# Altium PCB 机器人.PcbDoc (part 12 of 14) (continued)
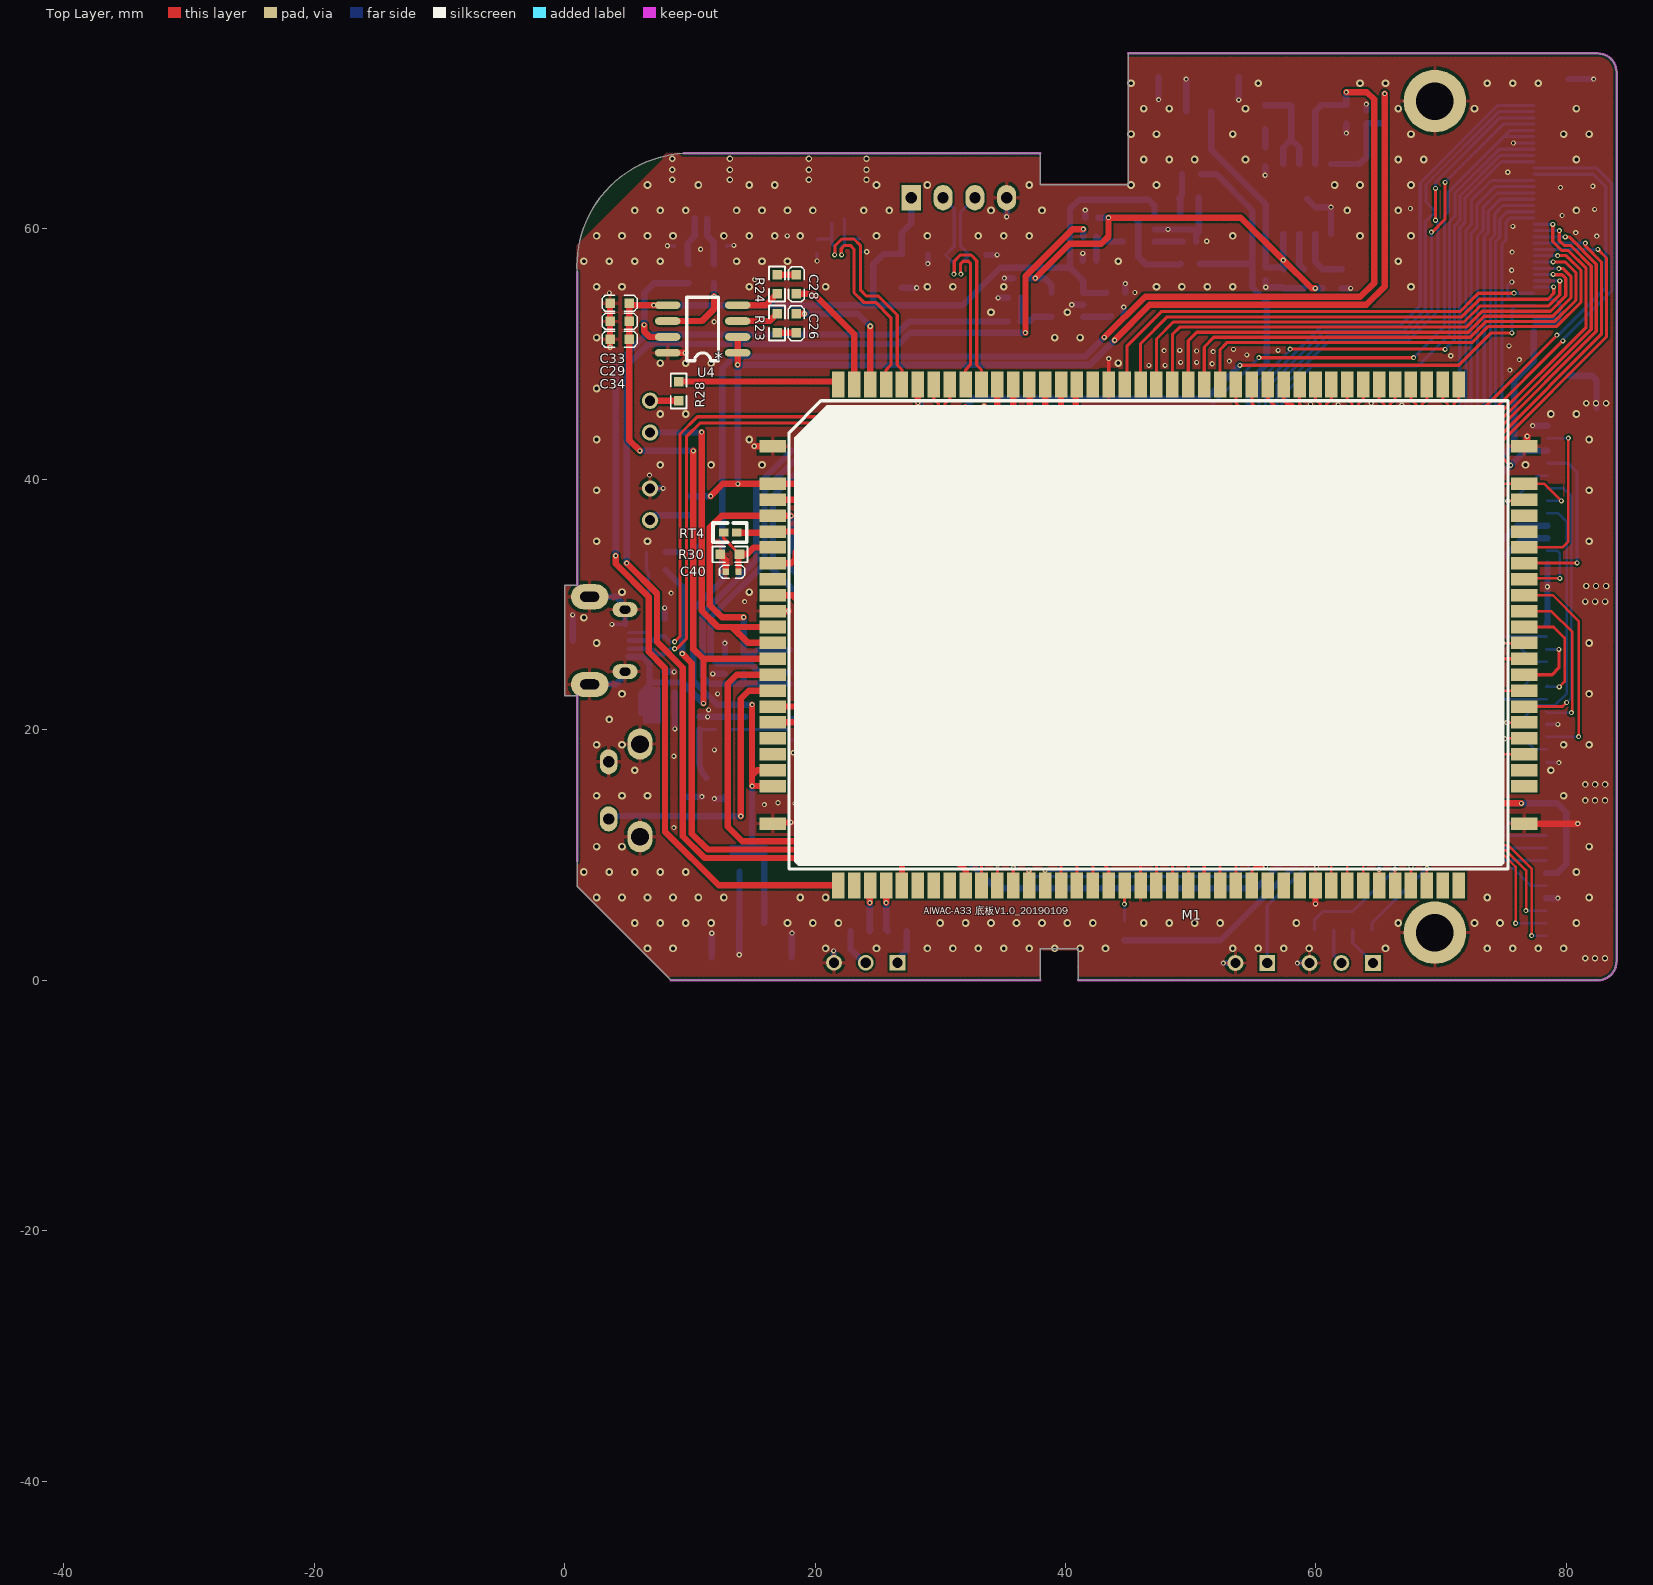
[diagram p0: Top Layer view]
## Free pads (board coordinates) (continued)
  round 0.002 on Mech15: 1(-39.048,-44.132) 1(-39.048,-44.132) 1(-39.048,-44.132) 1(-39.048,-44.131) 1(-39.048,-44.131) 1(-39.048,-44.131) 1(-39.048,-44.127) 1(-39.048,-44.127) 1(-39.048,-44.127) 1(-39.048,-44.126) 1(-39.048,-44.126) 1(-39.048,-44.126) 1(-39.045,-44.133) 1(-39.045,-44.133) 1(-39.045,-44.133) 1(-39.045,-44.132) 1(-39.045,-44.132) 1(-39.045,-44.132) 1(-39.045,-44.126) 1(-39.045,-44.126) 1(-39.045,-44.126) 1(-39.045,-44.125) 1(-39.045,-44.125) 1(-39.045,-44.125) 1(-39.044,-44.122) 1(-39.044,-44.122) 1(-39.044,-44.122) 1(-39.044,-44.119) 1(-39.044,-44.119) 1(-39.044,-44.119) 1(-39.044,-44.116) 1(-39.044,-44.116) 1(-39.044,-44.116) 1(-39.044,-44.114) 1(-39.044,-44.114) 1(-39.044,-44.114)
  round 0.005 on Mech3: 1(-39.047,-44.148) 1(-39.047,-44.148) 1(-39.047,-44.148) 1(-39.047,-44.096) 1(-39.047,-44.096) 1(-39.047,-44.096) 1(-38.976,-44.148) 1(-38.976,-44.148) 1(-38.976,-44.148) 1(-38.976,-44.096) 1(-38.976,-44.096) 1(-38.976,-44.096)
  round 0.005 on Mech2: 1(-39.047,-44.148) 1(-39.047,-44.148) 1(-39.047,-44.148) 1(-39.047,-44.096) 1(-39.047,-44.096) 1(-39.047,-44.096) 1(-38.976,-44.148) 1(-38.976,-44.148) 1(-38.976,-44.148) 1(-38.976,-44.096) 1(-38.976,-44.096) 1(-38.976,-44.096)
  round 0.005 on Mech10: 1(-39.047,-44.148) 1(-39.047,-44.148) 1(-39.047,-44.148) 1(-39.047,-44.096) 1(-39.047,-44.096) 1(-39.047,-44.096) 1(-38.976,-44.148) 1(-38.976,-44.148) 1(-38.976,-44.148) 1(-38.976,-44.096) 1(-38.976,-44.096) 1(-38.976,-44.096)
  round 0.005 on Mech14: 1(-39.047,-44.148) 1(-39.047,-44.148) 1(-39.047,-44.148) 1(-39.047,-44.096) 1(-39.047,-44.096) 1(-39.047,-44.096) 1(-38.976,-44.148) 1(-38.976,-44.148) 1(-38.976,-44.148) 1(-38.976,-44.096) 1(-38.976,-44.096) 1(-38.976,-44.096)
  round 0.005 on Mech15: 1(-39.047,-44.148) 1(-39.047,-44.148) 1(-39.047,-44.148) 1(-39.047,-44.096) 1(-39.047,-44.096) 1(-39.047,-44.096) 1(-38.976,-44.148) 1(-38.976,-44.148) 1(-38.976,-44.148) 1(-38.976,-44.096) 1(-38.976,-44.096) 1(-38.976,-44.096)
  round 0 on Mech5: 1(-39.047,-44.143) 1(-39.047,-44.143) 1(-39.047,-44.143) 1(-39.047,-44.143) 1(-39.047,-44.143) 1(-39.047,-44.143) 1(-39.047,-44.14) 1(-39.047,-44.14) 1(-39.047,-44.14) 1(-39.047,-44.14) 1(-39.047,-44.14) 1(-39.047,-44.14) 1(-39.046,-44.142) 1(-39.046,-44.142) 1(-39.046,-44.142) 1(-39.046,-44.142) 1(-39.046,-44.142) 1(-39.046,-44.142) 1(-39.046,-44.141) 1(-39.046,-44.141) 1(-39.046,-44.141) 1(-39.045,-44.142) 1(-39.045,-44.142) 1(-39.045,-44.142) 1(-39.045,-44.143) 1(-39.045,-44.143) 1(-39.045,-44.143) 1(-39.045,-44.143) 1(-39.045,-44.143) 1(-39.045,-44.143) 1(-39.045,-44.14) 1(-39.045,-44.14) 1(-39.045,-44.14) 1(-39.045,-44.14) 1(-39.045,-44.14) 1(-39.045,-44.14) 1(-39.043,-44.099) 1(-39.043,-44.099) 1(-39.043,-44.099) 1(-39.043,-44.11) 1(-39.043,-44.11) 1(-39.043,-44.11) 1(-39.043,-44.099) 1(-39.043,-44.099) 1(-39.043,-44.099) 1(-39.043,-44.098) 1(-39.043,-44.098) 1(-39.043,-44.098) 1(-39.043,-44.11) 1(-39.043,-44.11) 1(-39.043,-44.11) 1(-39.043,-44.109) 1(-39.043,-44.109) 1(-39.043,-44.109) 1(-39.042,-44.099) 1(-39.042,-44.099) 1(-39.042,-44.099) 1(-39.042,-44.11) 1(-39.042,-44.11) 1(-39.042,-44.11) 1(-39.04,-44.109) 1(-39.04,-44.109) 1(-39.04,-44.109) 1(-39.039,-44.109) 1(-39.039,-44.109) 1(-39.039,-44.109) 1(-39.039,-44.108) 1(-39.039,-44.108) 1(-39.039,-44.108) 1(-39.039,-44.109) 1(-39.039,-44.109) 1(-39.039,-44.109) 1(-39.038,-44.122) 1(-39.038,-44.122) 1(-39.038,-44.122) 1(-39.038,-44.122) 1(-39.038,-44.122) 1(-39.038,-44.122) 1(-39.038,-44.121) 1(-39.038,-44.121) 1(-39.038,-44.121) 1(-39.038,-44.121) 1(-39.038,-44.121) 1(-39.038,-44.121) 1(-39.038,-44.121) 1(-39.038,-44.121) 1(-39.038,-44.121) 1(-39.037,-44.122) 1(-39.037,-44.122) 1(-39.037,-44.122) 1(-39.037,-44.121) 1(-39.037,-44.121) 1(-39.037,-44.121) 1(-39.037,-44.121) 1(-39.037,-44.121) 1(-39.037,-44.121) 1(-39.036,-44.102) 1(-39.036,-44.102) 1(-39.036,-44.102) 1(-39.036,-44.122) 1(-39.036,-44.122) 1(-39.036,-44.122) 1(-39.036,-44.122) 1(-39.036,-44.122) 1(-39.036,-44.122) 1(-39.036,-44.121) 1(-39.036,-44.121) 1(-39.036,-44.121) 1(-39.036,-44.121) 1(-39.036,-44.121) 1(-39.036,-44.121) 1(-39.035,-44.103) 1(-39.035,-44.103) 1(-39.035,-44.103) 1(-39.035,-44.102) 1(-39.035,-44.102) 1(-39.035,-44.102) 1(-39.035,-44.102) 1(-39.035,-44.102) 1(-39.035,-44.102) 1(-38.995,-44.105) 1(-38.995,-44.105) 1(-38.995,-44.105) 1(-38.995,-44.105) 1(-38.995,-44.105) 1(-38.995,-44.105) 1(-38.995,-44.102) 1(-38.995,-44.102) 1(-38.995,-44.102) 1(-38.995,-44.102) 1(-38.995,-44.102) 1(-38.995,-44.102) 1(-38.995,-44.103) 1(-38.995,-44.103) 1(-38.995,-44.103) 1(-38.995,-44.104) 1(-38.995,-44.104) 1(-38.995,-44.104) 1(-38.995,-44.103) 1(-38.995,-44.103) 1(-38.995,-44.103) 1(-38.994,-44.103) 1(-38.994,-44.103) 1(-38.994,-44.103) 1(-38.994,-44.105) 1(-38.994,-44.105) 1(-38.994,-44.105) 1(-38.994,-44.105) 1(-38.994,-44.105) 1(-38.994,-44.105) 1(-38.994,-44.102) 1(-38.994,-44.102) 1(-38.994,-44.102) 1(-38.994,-44.102) 1(-38.994,-44.102) 1(-38.994,-44.102) 1(-38.994,-44.105) 1(-38.994,-44.105) 1(-38.994,-44.105) 1(-38.994,-44.105) 1(-38.994,-44.105) 1(-38.994,-44.105) 1(-38.994,-44.102) 1(-38.994,-44.102) 1(-38.994,-44.102) 1(-38.994,-44.102) 1(-38.994,-44.102) 1(-38.994,-44.102) 1(-38.993,-44.103) 1(-38.993,-44.103) 1(-38.993,-44.103) 1(-38.993,-44.104) 1(-38.993,-44.104) 1(-38.993,-44.104) 1(-38.993,-44.103) 1(-38.993,-44.103) 1(-38.993,-44.103) 1(-38.992,-44.103) 1(-38.992,-44.103) 1(-38.992,-44.103) 1(-38.992,-44.105) 1(-38.992,-44.105) 1(-38.992,-44.105) 1(-38.992,-44.105) 1(-38.992,-44.105) 1(-38.992,-44.105) 1(-38.992,-44.102) 1(-38.992,-44.102) 1(-38.992,-44.102) 1(-38.992,-44.102) 1(-38.992,-44.102) 1(-38.992,-44.102) 1(-38.978,-44.105) 1(-38.978,-44.105) 1(-38.978,-44.105) 1(-38.978,-44.105) 1(-38.978,-44.105) 1(-38.978,-44.105) 1(-38.978,-44.104) 1(-38.978,-44.104) 1(-38.978,-44.104) 1(-38.978,-44.104) 1(-38.978,-44.104) 1(-38.978,-44.104) 1(-38.978,-44.103) 1(-38.978,-44.103) 1(-38.978,-44.103) 1(-38.977,-44.103) 1(-38.977,-44.103) 1(-38.977,-44.103) 1(-38.977,-44.102) 1(-38.977,-44.102) 1(-38.977,-44.102) 1(-38.977,-44.105) 1(-38.977,-44.105) 1(-38.977,-44.105) 1(-38.977,-44.103) 1(-38.977,-44.103) 1(-38.977,-44.103) 1(-38.977,-44.105) 1(-38.977,-44.105) 1(-38.977,-44.105) 1(-38.977,-44.104) 1(-38.977,-44.104) 1(-38.977,-44.104) 1(-38.976,-44.105) 1(-38.976,-44.105) 1(-38.976,-44.105) 1(-38.975,-44.105) 1(-38.975,-44.105) 1(-38.975,-44.105) 1(-38.975,-44.105) 1(-38.975,-44.105) 1(-38.975,-44.105) 1(-38.975,-44.104) 1(-38.975,-44.104) 1(-38.975,-44.104) 1(-38.975,-44.104) 1(-38.975,-44.104) 1(-38.975,-44.104)
  round 0 on Mech4: 1(-39.046,-44.143) 1(-39.046,-44.143) 1(-39.046,-44.143) 1(-39.046,-44.143) 1(-39.046,-44.143) 1(-39.046,-44.143) 1(-39.046,-44.141) 1(-39.046,-44.141) 1(-39.046,-44.141) 1(-39.046,-44.141) 1(-39.046,-44.141) 1(-39.046,-44.141) 1(-39.045,-44.143) 1(-39.045,-44.143) 1(-39.045,-44.143) 1(-39.045,-44.143) 1(-39.045,-44.143) 1(-39.045,-44.143) 1(-39.045,-44.141) 1(-39.045,-44.141) 1(-39.045,-44.141) 1(-39.045,-44.141) 1(-39.045,-44.141) 1(-39.045,-44.141) 1(-39.044,-44.1) 1(-39.044,-44.1) 1(-39.044,-44.1) 1(-39.044,-44.1) 1(-39.044,-44.1) 1(-39.044,-44.1) 1(-39.044,-44.097) 1(-39.044,-44.097) 1(-39.044,-44.097) 1(-39.044,-44.097) 1(-39.044,-44.097) 1(-39.044,-44.097) 1(-39.043,-44.112) 1(-39.043,-44.112) 1(-39.043,-44.112) 1(-39.043,-44.112) 1(-39.043,-44.112) 1(-39.043,-44.112) 1(-39.043,-44.108) 1(-39.043,-44.108) 1(-39.043,-44.108) 1(-39.043,-44.108) 1(-39.043,-44.108) 1(-39.043,-44.108) 1(-39.042,-44.1) 1(-39.042,-44.1) 1(-39.042,-44.1) 1(-39.042,-44.1) 1(-39.042,-44.1) 1(-39.042,-44.1) 1(-39.042,-44.097) 1(-39.042,-44.097) 1(-39.042,-44.097) 1(-39.042,-44.097) 1(-39.042,-44.097) 1(-39.042,-44.097) 1(-39.042,-44.112) 1(-39.042,-44.112) 1(-39.042,-44.112) 1(-39.042,-44.112) 1(-39.042,-44.112) 1(-39.042,-44.112) 1(-39.042,-44.108) 1(-39.042,-44.108) 1(-39.042,-44.108) 1(-39.042,-44.108) 1(-39.042,-44.108) 1(-39.042,-44.108) 1(-39.041,-44.11) 1(-39.041,-44.11) 1(-39.041,-44.11) 1(-39.041,-44.11) 1(-39.041,-44.11) 1(-39.041,-44.11) 1(-39.041,-44.108) 1(-39.041,-44.108) 1(-39.041,-44.108) 1(-39.041,-44.108) 1(-39.041,-44.108) 1(-39.041,-44.108) 1(-39.038,-44.122) 1(-39.038,-44.122) 1(-39.038,-44.122) 1(-39.038,-44.122) 1(-39.038,-44.122) 1(-39.038,-44.122) 1(-39.038,-44.121) 1(-39.038,-44.121) 1(-39.038,-44.121) 1(-39.038,-44.121) 1(-39.038,-44.121) 1(-39.038,-44.121) 1(-39.038,-44.11) 1(-39.038,-44.11) 1(-39.038,-44.11) 1(-39.038,-44.11) 1(-39.038,-44.11) 1(-39.038,-44.11) 1(-39.038,-44.108) 1(-39.038,-44.108) 1(-39.038,-44.108) 1(-39.038,-44.108) 1(-39.038,-44.108) 1(-39.038,-44.108) 1(-39.036,-44.104) 1(-39.036,-44.104) 1(-39.036,-44.104) 1(-39.036,-44.104) 1(-39.036,-44.104) 1(-39.036,-44.104) 1(-39.036,-44.101) 1(-39.036,-44.101) 1(-39.036,-44.101) 1(-39.036,-44.101) 1(-39.036,-44.101) 1(-39.036,-44.101) 1(-39.036,-44.122) 1(-39.036,-44.122) 1(-39.036,-44.122) 1(-39.036,-44.122) 1(-39.036,-44.122) 1(-39.036,-44.122) 1(-39.036,-44.121) 1(-39.036,-44.121) 1(-39.036,-44.121) 1(-39.036,-44.121) 1(-39.036,-44.121) 1(-39.036,-44.121) 1(-39.034,-44.104) 1(-39.034,-44.104) 1(-39.034,-44.104) 1(-39.034,-44.104) 1(-39.034,-44.104) 1(-39.034,-44.104) 1(-39.034,-44.101) 1(-39.034,-44.101) 1(-39.034,-44.101) 1(-39.034,-44.101) 1(-39.034,-44.101) 1(-39.034,-44.101) 1(-38.995,-44.105) 1(-38.995,-44.105) 1(-38.995,-44.105) 1(-38.995,-44.105) 1(-38.995,-44.105) 1(-38.995,-44.105) 1(-38.995,-44.102) 1(-38.995,-44.102) 1(-38.995,-44.102) 1(-38.995,-44.102) 1(-38.995,-44.102) 1(-38.995,-44.102) 1(-38.994,-44.105) 1(-38.994,-44.105) 1(-38.994,-44.105) 1(-38.994,-44.105) 1(-38.994,-44.105) 1(-38.994,-44.105) 1(-38.994,-44.102) 1(-38.994,-44.102) 1(-38.994,-44.102) 1(-38.994,-44.102) 1(-38.994,-44.102) 1(-38.994,-44.102) 1(-38.993,-44.105) 1(-38.993,-44.105) 1(-38.993,-44.105) 1(-38.993,-44.105) 1(-38.993,-44.105) 1(-38.993,-44.105) 1(-38.993,-44.102) 1(-38.993,-44.102) 1(-38.993,-44.102) 1(-38.993,-44.102) 1(-38.993,-44.102) 1(-38.993,-44.102) 1(-38.992,-44.105) 1(-38.992,-44.105) 1(-38.992,-44.105) 1(-38.992,-44.105) 1(-38.992,-44.105) 1(-38.992,-44.105) 1(-38.992,-44.102) 1(-38.992,-44.102) 1(-38.992,-44.102) 1(-38.992,-44.102) 1(-38.992,-44.102) 1(-38.992,-44.102) 1(-38.979,-44.104) 1(-38.979,-44.104) 1(-38.979,-44.104) 1(-38.979,-44.104) 1(-38.979,-44.104) 1(-38.979,-44.104) 1(-38.979,-44.102) 1(-38.979,-44.102) 1(-38.979,-44.102) 1(-38.979,-44.102) 1(-38.979,-44.102) 1(-38.979,-44.102) 1(-38.978,-44.105) 1(-38.978,-44.105) 1(-38.978,-44.105) 1(-38.978,-44.105) 1(-38.978,-44.105) 1(-38.978,-44.105) 1(-38.978,-44.104) 1(-38.978,-44.104) 1(-38.978,-44.104) 1(-38.978,-44.104) 1(-38.978,-44.104) 1(-38.978,-44.104) 1(-38.976,-44.104) 1(-38.976,-44.104) 1(-38.976,-44.104) 1(-38.976,-44.104) 1(-38.976,-44.104) 1(-38.976,-44.104) 1(-38.976,-44.102) 1(-38.976,-44.102) 1(-38.976,-44.102) 1(-38.976,-44.102) 1(-38.976,-44.102) 1(-38.976,-44.102) 1(-38.976,-44.105) 1(-38.976,-44.105) 1(-38.976,-44.105) 1(-38.976,-44.105) 1(-38.976,-44.105) 1(-38.976,-44.105) 1(-38.976,-44.104) 1(-38.976,-44.104) 1(-38.976,-44.104) 1(-38.976,-44.104) 1(-38.976,-44.104) 1(-38.976,-44.104)
  round 0.001 on Mech14: 1(-39.046,-44.109) 1(-39.046,-44.109) 1(-39.046,-44.109) 1(-39.046,-44.105) 1(-39.046,-44.105) 1(-39.046,-44.105) 1(-39.027,-44.107) 1(-39.027,-44.107) 1(-39.027,-44.107) 1(-39.026,-44.107) 1(-39.026,-44.107) 1(-39.026,-44.107) 1(-38.986,-44.097) 1(-38.986,-44.097) 1(-38.986,-44.097) 1(-38.982,-44.097) 1(-38.982,-44.097) 1(-38.982,-44.097)
  round 0.001 on Mech15: 1(-39.046,-44.109) 1(-39.046,-44.109) 1(-39.046,-44.109) 1(-39.046,-44.105) 1(-39.046,-44.105) 1(-39.046,-44.105) 1(-39.041,-44.104) 1(-39.041,-44.104) 1(-39.041,-44.104) 1(-39.041,-44.102) 1(-39.041,-44.102) 1(-39.041,-44.102) 1(-39.041,-44.098) 1(-39.041,-44.098) 1(-39.041,-44.098) 1(-39.041,-44.097) 1(-39.041,-44.097) 1(-39.041,-44.097) 1(-39.04,-44.104) 1(-39.04,-44.104) 1(-39.04,-44.104) 1(-39.04,-44.102) 1(-39.04,-44.102) 1(-39.04,-44.102) 1(-39.04,-44.098) 1(-39.04,-44.098) 1(-39.04,-44.098) 1(-39.04,-44.097) 1(-39.04,-44.097) 1(-39.04,-44.097) 1(-39.038,-44.104) 1(-39.038,-44.104) 1(-39.038,-44.104) 1(-39.038,-44.102) 1(-39.038,-44.102) 1(-39.038,-44.102) 1(-39.038,-44.098) 1(-39.038,-44.098) 1(-39.038,-44.098) 1(-39.038,-44.097) 1(-39.038,-44.097) 1(-39.038,-44.097) 1(-39.037,-44.104) 1(-39.037,-44.104) 1(-39.037,-44.104) 1(-39.037,-44.102) 1(-39.037,-44.102) 1(-39.037,-44.102) 1(-39.037,-44.098) 1(-39.037,-44.098) 1(-39.037,-44.098) 1(-39.037,-44.097) 1(-39.037,-44.097) 1(-39.037,-44.097) 1(-39.027,-44.107) 1(-39.027,-44.107) 1(-39.027,-44.107) 1(-39.026,-44.107) 1(-39.026,-44.107) 1(-39.026,-44.107) 1(-38.99,-44.125) 1(-38.99,-44.125) 1(-38.99,-44.125) 1(-38.99,-44.125) 1(-38.99,-44.125) 1(-38.99,-44.125) 1(-38.989,-44.125) 1(-38.989,-44.125) 1(-38.989,-44.125) 1(-38.989,-44.125) 1(-38.989,-44.125) 1(-38.989,-44.125) 1(-38.989,-44.123) 1(-38.989,-44.123) 1(-38.989,-44.123) 1(-38.989,-44.122) 1(-38.989,-44.122) 1(-38.989,-44.122) 1(-38.988,-44.125) 1(-38.988,-44.125) 1(-38.988,-44.125) 1(-38.988,-44.125) 1(-38.988,-44.125) 1(-38.988,-44.125) 1(-38.988,-44.123) 1(-38.988,-44.123) 1(-38.988,-44.123) 1(-38.988,-44.122) 1(-38.988,-44.122) 1(-38.988,-44.122) 1(-38.986,-44.097) 1(-38.986,-44.097) 1(-38.986,-44.097) 1(-38.982,-44.097) 1(-38.982,-44.097) 1(-38.982,-44.097)
  round 0.002 on Mech3: 1(-39.045,-44.133) 1(-39.045,-44.133) 1(-39.045,-44.133) 1(-39.045,-44.132) 1(-39.045,-44.132) 1(-39.045,-44.132) 1(-39.045,-44.126) 1(-39.045,-44.126) 1(-39.045,-44.126) 1(-39.045,-44.125) 1(-39.045,-44.125) 1(-39.045,-44.125)
  round 0.002 on Mech2: 1(-39.045,-44.133) 1(-39.045,-44.133) 1(-39.045,-44.133) 1(-39.045,-44.132) 1(-39.045,-44.132) 1(-39.045,-44.132) 1(-39.045,-44.126) 1(-39.045,-44.126) 1(-39.045,-44.126) 1(-39.045,-44.125) 1(-39.045,-44.125) 1(-39.045,-44.125)
  round 0.002 on Mech10: 1(-39.045,-44.133) 1(-39.045,-44.133) 1(-39.045,-44.133) 1(-39.045,-44.132) 1(-39.045,-44.132) 1(-39.045,-44.132) 1(-39.045,-44.126) 1(-39.045,-44.126) 1(-39.045,-44.126) 1(-39.045,-44.125) 1(-39.045,-44.125) 1(-39.045,-44.125)
  round 0.001 on Mech13: 1(-39.041,-44.104) 1(-39.041,-44.104) 1(-39.041,-44.104) 1(-39.041,-44.102) 1(-39.041,-44.102) 1(-39.041,-44.102) 1(-39.041,-44.098) 1(-39.041,-44.098) 1(-39.041,-44.098) 1(-39.041,-44.097) 1(-39.041,-44.097) 1(-39.041,-44.097) 1(-39.04,-44.104) 1(-39.04,-44.104) 1(-39.04,-44.104) 1(-39.04,-44.102) 1(-39.04,-44.102) 1(-39.04,-44.102) 1(-39.04,-44.098) 1(-39.04,-44.098) 1(-39.04,-44.098) 1(-39.04,-44.097) 1(-39.04,-44.097) 1(-39.04,-44.097) 1(-39.038,-44.104) 1(-39.038,-44.104) 1(-39.038,-44.104) 1(-39.038,-44.102) 1(-39.038,-44.102) 1(-39.038,-44.102) 1(-39.038,-44.098) 1(-39.038,-44.098) 1(-39.038,-44.098) 1(-39.038,-44.097) 1(-39.038,-44.097) 1(-39.038,-44.097) 1(-39.037,-44.104) 1(-39.037,-44.104) 1(-39.037,-44.104) 1(-39.037,-44.102) 1(-39.037,-44.102) 1(-39.037,-44.102) 1(-39.037,-44.098) 1(-39.037,-44.098) 1(-39.037,-44.098) 1(-39.037,-44.097) 1(-39.037,-44.097) 1(-39.037,-44.097) 1(-38.99,-44.125) 1(-38.99,-44.125) 1(-38.99,-44.125) 1(-38.99,-44.125) 1(-38.99,-44.125) 1(-38.99,-44.125) 1(-38.989,-44.125) 1(-38.989,-44.125) 1(-38.989,-44.125) 1(-38.989,-44.125) 1(-38.989,-44.125) 1(-38.989,-44.125) 1(-38.989,-44.123) 1(-38.989,-44.123) 1(-38.989,-44.123) 1(-38.989,-44.122) 1(-38.989,-44.122) 1(-38.989,-44.122) 1(-38.988,-44.125) 1(-38.988,-44.125) 1(-38.988,-44.125) 1(-38.988,-44.125) 1(-38.988,-44.125) 1(-38.988,-44.125) 1(-38.988,-44.123) 1(-38.988,-44.123) 1(-38.988,-44.123) 1(-38.988,-44.122) 1(-38.988,-44.122) 1(-38.988,-44.122)
  round 0 on Mech11: 1(-39.039,-44.143) 1(-39.039,-44.143) 1(-39.039,-44.143) 1(-39.039,-44.143) 1(-39.039,-44.143) 1(-39.039,-44.143) 1(-39.039,-44.108) 1(-39.039,-44.108) 1(-39.039,-44.108) 1(-39.039,-44.108) 1(-39.039,-44.108) 1(-39.039,-44.108) 1(-39.036,-44.106) 1(-39.036,-44.106) 1(-39.036,-44.106) 1(-39.036,-44.106) 1(-39.036,-44.106) 1(-39.036,-44.106) 1(-38.982,-44.143) 1(-38.982,-44.143) 1(-38.982,-44.143) 1(-38.982,-44.143) 1(-38.982,-44.143) 1(-38.982,-44.143) 1(-38.982,-44.106) 1(-38.982,-44.106) 1(-38.982,-44.106) 1(-38.982,-44.106) 1(-38.982,-44.106) 1(-38.982,-44.106)
  round 0 on Mech9: 1(-39.021,-44.127) 1(-39.021,-44.127) 1(-39.021,-44.127) 1(-39.021,-44.127) 1(-39.021,-44.127) 1(-39.021,-44.127) 1(-39.021,-44.114) 1(-39.021,-44.114) 1(-39.021,-44.114) 1(-39.021,-44.114) 1(-39.021,-44.114) 1(-39.021,-44.114) 1(-39.006,-44.127) 1(-39.006,-44.127) 1(-39.006,-44.127) 1(-39.006,-44.127) 1(-39.006,-44.127) 1(-39.006,-44.127) 1(-39.006,-44.114) 1(-39.006,-44.114) 1(-39.006,-44.114) 1(-39.006,-44.114) 1(-39.006,-44.114) 1(-39.006,-44.114)
  round 0 on Mech6: 1(-39.021,-44.127) 1(-39.021,-44.127) 1(-39.021,-44.127) 1(-39.021,-44.127) 1(-39.021,-44.127) 1(-39.021,-44.127) 1(-39.021,-44.114) 1(-39.021,-44.114) 1(-39.021,-44.114) 1(-39.021,-44.114) 1(-39.021,-44.114) 1(-39.021,-44.114) 1(-39.006,-44.127) 1(-39.006,-44.127) 1(-39.006,-44.127) 1(-39.006,-44.127) 1(-39.006,-44.127) 1(-39.006,-44.127) 1(-39.006,-44.114) 1(-39.006,-44.114) 1(-39.006,-44.114) 1(-39.006,-44.114) 1(-39.006,-44.114) 1(-39.006,-44.114)

## Via types
v1: diameter 0.406, hole 0.203, Top Layer to Bottom Layer, tented both sides, 327 vias
v2: diameter 0.61, hole 0.305, Top Layer to Bottom Layer, tented both sides, 264 vias
v3: diameter 0.508, hole 0.305, Top Layer to Bottom Layer, tented both sides, 30 vias

## Nets (pads, with @x,y where several pads share a name; then routed paths per layer and width w, separated by ;. In a path a pad name is that pad's centre, name@x,y a point inside that pad or via, vN(x,y) a via of type N, cw(c..) or ccw(c..) an arc to the next point about the centre after c; other vN are vias at no path point)
ACIN5V: J1.1 J1.2 J1.3 J1.4 L2.2 L3.1@50.825,64.356 M1.15 M1.16 | length 138.2
  Top Layer w0.508: M1.16@16.629,20.585 22.265,20.585 ; M1.15@16.629,21.855 20.995,21.855 22.265,20.585 ; v1(43.282,12.573) 30.277,12.573 22.265,20.585 ; v1(54.635,40.513) 58.674,40.513 59.563,41.402 v1(74.473,41.402)
  Bottom Layer w0.254: J1.4@77.405,51.802 J1.4@77.405,51.858
  Bottom Layer w0.508: v1(43.282,12.573) 53.569,12.573 54.635,13.64 v1(54.635,40.513) 54.635,47.774 56.058,49.196 56.058,54.178 54.915,55.321 54.915,57.175 ; L2.2@50.724,57.201 54.889,57.201 54.915,57.175 ; L3.1@50.825,64.356 52.053,64.356 54.915,61.493 54.915,57.175 ; v1(74.473,41.402) 75.844,42.774 75.844,47.879 77.405,49.439 J1.1@77.405,50.358 J1.2@77.405,50.858 J1.3@77.405,51.358 J1.4@77.405,51.802
AP-CK32KO: M1.110 R34.2 R36.2 | length 25.6
  Top Layer w0.254: M1.110@34.564,47.193 M1.110@34.564,47.57
  Top Layer w0.508: v1(34.074,24.422) 34.074,44.895 34.564,45.385 M1.110@34.564,47.193
  Bottom Layer w0.508: v1(34.074,24.422) R36.2@34.074,25.172 R34.2@34.074,26.645
AP-UART1-CTS: M1.38 U6.41 | length 27
  Top Layer w0.254: v1(21.996,16.993) 25.103,16.993 30.056,12.04 40.284,12.04 43.454,8.87 M1.38@43.454,7.57
  Bottom Layer w0.254: v1(21.996,16.993) 22.003,16.999 U6.41@22.003,17.845
AP-UART1-RTS: M1.37 U6.44 | length 28.9
  Top Layer w0.254: v1(19.304,16.815) 19.609,16.51 23.892,16.51 28.769,11.633 40.056,11.633 42.184,9.505 M1.37@42.184,7.57
  Bottom Layer w0.254: U6.44@19.303,17.845 v1(19.304,16.815) v1(19.304,16.815)
AP-UART1-RX: M1.35 R25.2 U6.42 | length 25.8
  Top Layer w0.254: v1(22.25,15.189) 24.054,15.189 28.423,10.82 39.192,10.82 39.644,10.368 M1.35@39.644,7.57 M1.35@39.7,7.626
  Bottom Layer w0.254: R25.2@21.534,15.19 v1(22.25,15.189)
  Bottom Layer w0.508: U6.42@21.103,17.845 21.103,16.556 21.534,16.125 R25.2@21.534,15.19
AP-UART1-TX: M1.36 R26.2 U6.43 | length 28.7
  Top Layer w0.254: v1(19.99,15.951) 23.876,15.951 28.6,11.227 39.887,11.227 40.914,10.2 M1.36@40.914,7.57
  Bottom Layer w0.508: R26.2@20.035,15.19 19.99,15.235 v1(19.99,15.951) 19.99,16.358 20.203,16.571 U6.43@20.203,17.845
AVDD-CSI: C19.1 J3.3 M1.8 | length 77.8
  Top Layer w0.254: v1(41.859,44.069) 53.416,44.069 54.102,43.383 57.483,43.383 58.93,41.935 59.479,41.935 ; 59.53,41.935 74.694,41.935 75.507,41.123 v1(75.54,41.123)
  Top Layer w0.508: M1.8@16.629,30.745 18.201,30.745 18.872,30.074 18.898,30.099 20.035,30.099 20.879,30.943 20.879,35.103 21.793,36.017 30.945,36.017 33.325,38.397 v1(33.325,44.069)
  Bottom Layer w0.508: v1(33.325,44.069) v1(41.859,44.069) ; C19.1@73.56,40.03 74.447,40.03 v1(75.54,41.123) 76.695,42.278 J3.3@78.486,42.278
B2: J1.10 M1.102 | length 37.4
  Top Layer w0.254: M1.102@44.724,47.57 44.917,47.763 44.917,50.657 47.65,53.391 71.501,53.391 72.644,54.534 ; 72.647,54.531 72.974,54.858 v1(75.813,54.858)
  Bottom Layer w0.254: v1(75.813,54.858) J1.10@77.405,54.858
B3: J1.11 M1.101 | length 40
  Top Layer w0.254: M1.101@45.994,47.57 45.994,50.846 48.112,52.963 71.654,52.963 73.067,54.376 78.531,54.376 78.994,54.839 v1@78.994,55.347
  Bottom Layer w0.254: J1.11@77.405,55.358 v1(78.982,55.358)
B4: J1.12 M1.100 | length 40.5
  Top Layer w0.254: M1.100@47.264,47.57 47.264,51.201 48.62,52.557 71.823,52.557 73.095,53.829 78.559,53.829 79.465,54.735 v1(79.465,55.841)
  Bottom Layer w0.254: J1.12@77.405,55.858 79.448,55.858 v1(79.465,55.841)
B5: J1.13 M1.99 | length 40.8
  Top Layer w0.254: M1.99@48.534,47.57 48.534,51.557 49.128,52.15 71.991,52.15 73.263,53.423 78.728,53.423 79.948,54.643 79.948,56.041 79.651,56.337 78.96,56.337 v1(78.939,56.358)
  Bottom Layer w0.254: J1.13@77.405,56.358 v1(78.939,56.358)
B6: J1.14 M1.98 | length 40.4
  Top Layer w0.254: M1.98@49.804,47.57 49.804,51.074 50.474,51.744 72.159,51.744 73.431,53.016 78.896,53.016 80.354,54.474 80.354,56.209 79.743,56.82 v1(79.4,56.82)
  Bottom Layer w0.254: J1.14@77.405,56.858 77.422,56.841 79.379,56.841 v1(79.4,56.82)
B7: J1.15 M1.97 | length 40.1
  Top Layer w0.254: M1.97@51.074,47.57 51.074,50.566 51.846,51.338 72.328,51.338 73.6,52.61 79.064,52.61 80.76,54.306 80.76,56.501 79.908,57.353 v1(78.943,57.353)
  Bottom Layer w0.254: J1.15@77.405,57.358 78.938,57.358 v1(78.943,57.353)
BT-HOST-WAKE: M1.106 U6.7 | length 52.6
  Top Layer w0.508: v1(39.644,41.61) M1.106@39.644,47.57
  Bottom Layer w0.508: 12.246,25.248 11.684,25.81 11.684,28.981 15.969,33.266 15.969,39.108 18.471,41.61 v1(39.644,41.61) ; 12.247,25.248 14.87,25.248 15.548,24.57 U6.7@17.978,24.57
BT-RST-N: M1.109 R27.1 U6.34 | length 38.8
  Top Layer w0.254: M1.109@35.834,47.193 M1.109@35.834,47.57
  Top Layer w0.508: v1(30.683,17.755) 33.731,17.755 34.734,18.758 34.734,44.621 35.834,45.721 M1.109@35.834,47.193
  Bottom Layer w0.508: R27.1@28.29,15.19 28.303,15.202 U6.34@28.303,17.845 28.314,17.856 28.416,17.755 v1(30.683,17.755)
BT-WAKE: M1.105 R31.1 U6.6 | length 57.1
  Top Layer w0.508: v1(40.818,42.291) 40.818,47.361 40.97,47.514 M1.105@40.914,47.57
  Bottom Layer w0.508: R31.1@14.32,24.461 14.32,23.716 14.275,23.67 ; U6.6@17.978,23.67 14.275,23.67 ; v1(40.818,42.291) 19.431,42.291 19.411,42.271 18.141,42.271 15.308,39.438 15.308,33.54 11.055,29.286 11.024,29.286 11.024,24.232 11.582,23.673 12.014,23.673 12.018,23.67 14.275,23.67
CHGLED: M1.120 R28.2 | length 12.8
  Top Layer w0.508: R28.2@9.119,47.803 21.631,47.803 M1.120@21.864,47.57
DC5V: C17.1 C20.2 C32.2 C47.2 J5.2 L2.1 R17.2 U1.8 U5.5 U7.5 | length 59.5
  Top Layer w0.508: v1(37.598,56.058) 40.342,58.801 42.85,58.801 43.434,59.385 v1(43.434,60.889) 54.008,60.889 v1(57.391,57.506) 59.652,55.245 v1(59.944,55.245)
  Bottom Layer w0.508: C32.2@36.843,56.058 v1(37.598,56.058) 38.354,56.058 38.887,55.524 U5.5@38.887,54.877 ; C47.2@42.596,60.884 42.601,60.889 v1(43.434,60.889) U7.5@44.572,60.889 45.511,60.889 45.822,60.579 45.822,57.76 46.431,57.15 49.149,57.15 L2.1@49.2,57.201 ; J5.2@51.632,69.367 51.632,66.326 55.994,61.963 C17.1@55.994,56.909 57.29,56.909 C20.2@57.391,56.807 ; U1.8@57.391,59.588 v1(57.391,57.506) C20.2@57.391,56.807 ; C20.2@57.417,56.813 C20.2@57.417,56.782 C20.2@57.391,56.807 ; v1(59.944,55.245) R17.2@60.554,55.245
DOVDD-CSI: C11.1 C12.1 C13.1 J3.10 M1.2 R9.2 R12.1 | length 87
  Top Layer w0.508: M1.2@16.629,38.365 30.491,38.365 31.293,39.167 v1(31.293,45.085) ; v1(41.808,45.085) 53.34,45.085 54.508,43.917 57.704,43.917 v1@59.151,42.469
  Bottom Layer w0.152: R9.2@73.482,32.08 R9.2@73.482,32.207
  Bottom Layer w0.203: R12.1@72.078,38.43 C12.1@73.558,36.95
  Bottom Layer w0.254: R12.1@72.06,38.43 R12.1@72.078,38.43 ; C13.1@72.39,30.988 R9.2@73.482,32.08 ; C12.1@73.558,36.805 C12.1@73.558,36.95
  Bottom Layer w0.508: v1(31.293,45.085) v1(41.808,45.085) ; v1(59.151,42.449) 64.389,37.211 ; R12.1@72.06,38.43 65.608,38.43 64.389,37.211 ; C13.1@72.39,30.988 70.612,30.988 64.389,37.211 ; R9.2@73.482,32.207 R9.2@73.584,32.309 73.508,32.385 C11.1@73.508,33.604 74.701,33.604 ; 74.803,33.604 76.477,35.278 J3.10@78.486,35.278
DVDD1V8-CSI: C18.1 J3.9 M1.13 | length 107
  Top Layer w0.508: M1.13@16.629,24.395 13.752,24.395 13.03,23.673 13.03,12.268 14.199,11.1 27.381,11.1 28.194,10.287 31.445,10.287 v1(32.334,9.398) ; v1(73.025,25.375) 73.025,27.305 74.422,28.702 v1(74.422,35.052)
  Bottom Layer w0.508: v1(32.334,9.398) 34.392,7.341 55.22,7.341 60.401,12.522 71.145,12.522 73.025,14.402 v1(73.025,25.375) ; C18.1@73.521,35.052 v1(74.422,35.052) 74.841,35.052 76.066,36.278 J3.9@78.486,36.278
G2: J1.16 M1.96 | length 40
  Top Layer w0.254: M1.96@52.344,47.57 52.344,50.363 52.912,50.931 72.496,50.931 73.768,52.203 79.233,52.203 81.167,54.138 81.167,56.679 79.985,57.861 v1(79.299,57.861)
  Bottom Layer w0.254: J1.16@77.405,57.858 79.296,57.858 v1(79.299,57.861)
G3: J1.17 M1.95 | length 48.4
  Top Layer w0.254: M1.95@53.614,47.57 53.614,46.081 54.94,44.755 57.62,44.755 59.575,42.799 74.625,42.799 83.199,51.373 83.199,57.67 v1(82.51,58.358)
  Bottom Layer w0.254: J1.17@77.405,58.358 v1(82.51,58.358)
G4: J1.18 M1.94 | length 46
  Top Layer w0.254: M1.94@54.884,47.57 54.884,46.055 55.753,45.187 57.763,45.187 59.744,43.205 74.422,43.205 82.792,51.576 82.792,57.352 81.509,58.636 v1(81.509,58.858)
  Bottom Layer w0.254: J1.18@77.405,58.858 v1(81.509,58.858)
G5: J1.19 M1.93 | length 43.2
  Top Layer w0.254: M1.93@56.154,47.57 56.154,46.436 56.998,45.593 57.931,45.593 59.912,43.612 74.193,43.612 82.386,51.804 82.386,57.184 80.212,59.358 v1(79.908,59.358)
  Bottom Layer w0.254: J1.19@77.405,59.358 v1(79.908,59.358)
G6: J1.20 M1.92 | length 41.4
  Top Layer w0.254: M1.92@57.424,47.57 57.424,46.284 57.709,45.999 58.099,45.999 60.08,44.018 74.025,44.018 81.98,51.973 81.98,57.016 80.321,58.674 79.807,58.674 79.426,59.055 79.426,59.849 v1(79.435,59.858)
  Bottom Layer w0.254: J1.20@77.405,59.858 v1(79.435,59.858)
G7: J1.21 M1.91 | length 39.4
  Top Layer w0.254: M1.91@58.694,47.57 58.694,45.979 60.249,44.425 73.857,44.425 81.573,52.141 81.573,56.847 80.153,58.268 79.629,58.268 78.91,58.987 v1(78.91,60.358)
  Bottom Layer w0.254: J1.21@77.405,60.358 v1(78.91,60.358)